# Altium PCB NxtPX4.PcbDoc (part 2 of 6)
Units mm, origin at the board's own origin, x right, y up, seen from the top; angles counter-clockwise.
Board outline 33 x 27 mm, 4 copper layers (F.Cu, In1.Cu, In2.Cu, B.Cu); 137 components, 132 nets, 629 pads, 296 vias.
Unrouted connection lines stored in the file: 3.
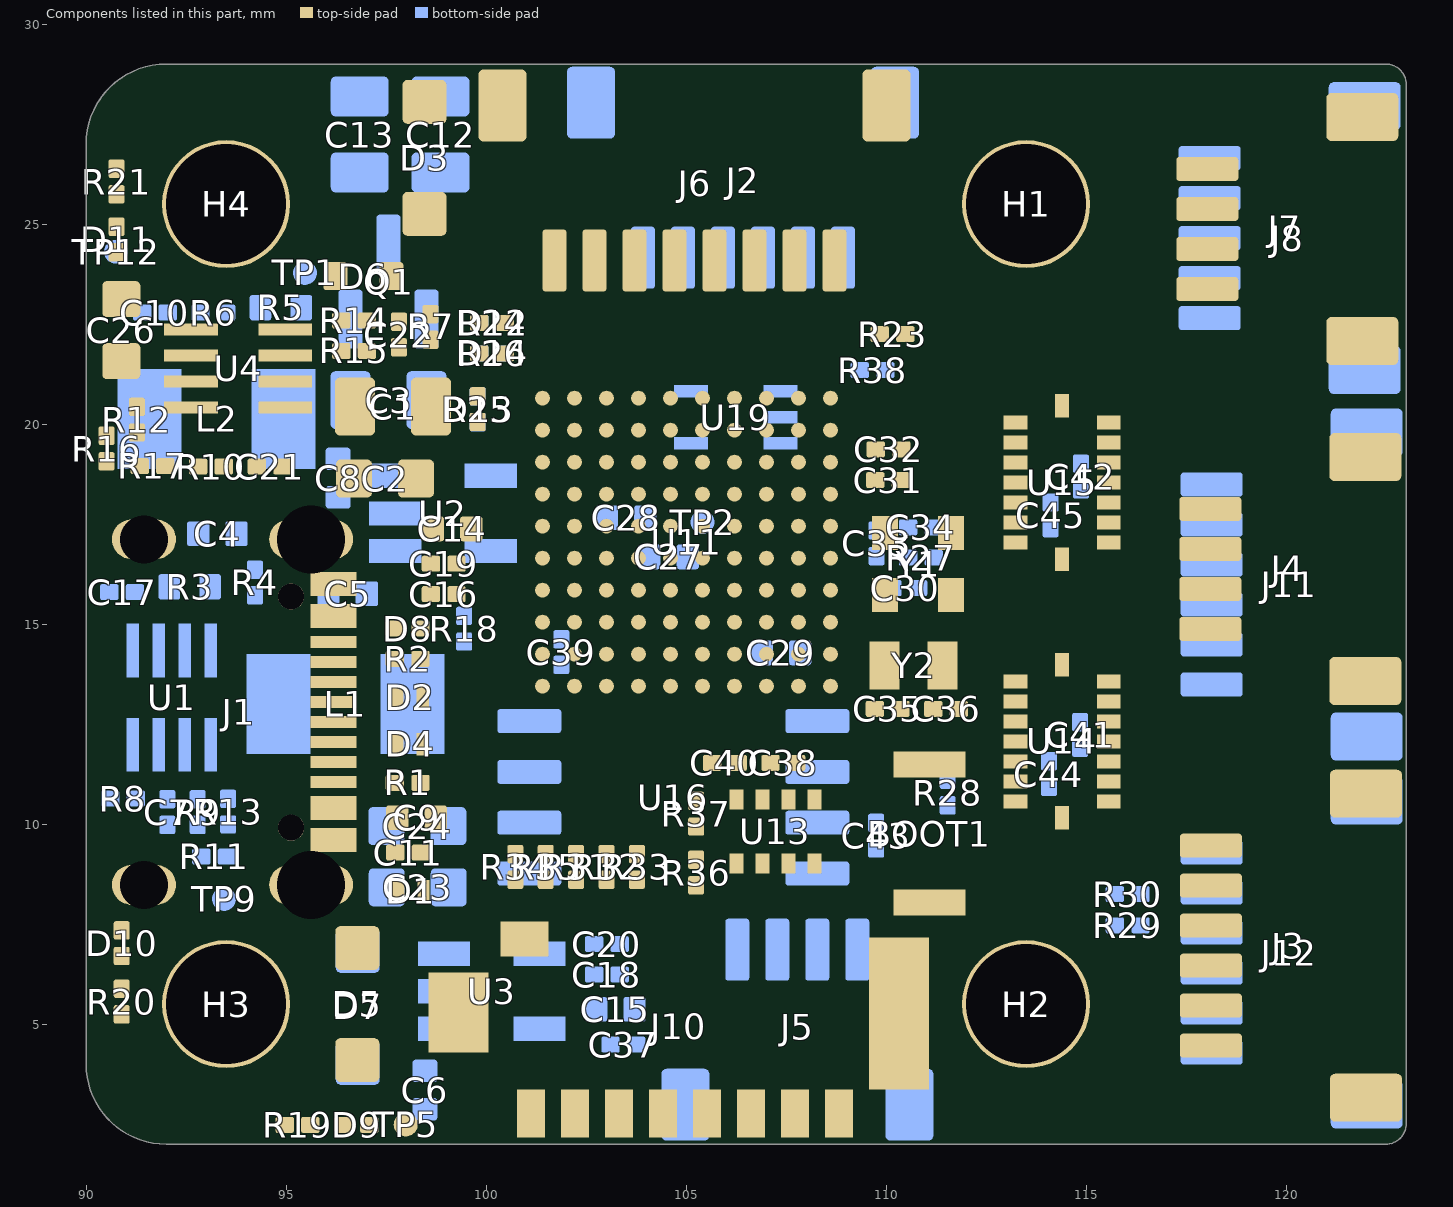
[diagram p4: the components of this part, seen from the top]

## Design rules (kind name [scope] priority, off if disabled: settings) (continued)
PolygonConnect Polygon_F.Cu-/BMI088_0_SCK_ConnectDirect [IsNamedPolygon('F.Cu-/BMI088_0_SCK')] p228: connectstyle=Direct reliefconductorwidth=0.254 reliefentries=4 polygonreliefangle="90 Angle" airgapwidth=0.254
PolygonConnect Polygon_F.Cu-Net-(J1-CC2)-1_ConnectDirect [IsNamedPolygon('F.Cu-Net-(J1-CC2)-1')] p229: connectstyle=Direct reliefconductorwidth=0.254 reliefentries=4 polygonreliefangle="90 Angle" airgapwidth=0.254
PolygonConnect Polygon_F.Cu-Net-(D6-A)-1_ConnectDirect [IsNamedPolygon('F.Cu-Net-(D6-A)-1')] p230: connectstyle=Direct reliefconductorwidth=0.254 reliefentries=4 polygonreliefangle="90 Angle" airgapwidth=0.254
PolygonConnect Polygon_F.Cu-Periph_3V3-3_ConnectDirect [IsNamedPolygon('F.Cu-Periph_3V3-3')] p231: connectstyle=Direct reliefconductorwidth=0.254 reliefentries=4 polygonreliefangle="90 Angle" airgapwidth=0.254
PolygonConnect Polygon_F.Cu-/UART5_TX-2_ConnectDirect [IsNamedPolygon('F.Cu-/UART5_TX-2')] p232: connectstyle=Direct reliefconductorwidth=0.254 reliefentries=4 polygonreliefangle="90 Angle" airgapwidth=0.254
PolygonConnect Polygon_F.Cu-System_5V-8_ConnectDirect [IsNamedPolygon('F.Cu-System_5V-8')] p233: connectstyle=Direct reliefconductorwidth=0.254 reliefentries=4 polygonreliefangle="90 Angle" airgapwidth=0.254
PolygonConnect Polygon_F.Cu-/BMI088_0_MISO-4_ConnectDirect [IsNamedPolygon('F.Cu-/BMI088_0_MISO-4')] p234: connectstyle=Direct reliefconductorwidth=0.254 reliefentries=4 polygonreliefangle="90 Angle" airgapwidth=0.254
PolygonConnect Polygon_F.Cu-Net-(J1-CC1)_ConnectDirect [IsNamedPolygon('F.Cu-Net-(J1-CC1)')] p235: connectstyle=Direct reliefconductorwidth=0.254 reliefentries=4 polygonreliefangle="90 Angle" airgapwidth=0.254
PolygonConnect Polygon_F.Cu-/TIM1_CH3-1_ConnectDirect [IsNamedPolygon('F.Cu-/TIM1_CH3-1')] p236: connectstyle=Direct reliefconductorwidth=0.254 reliefentries=4 polygonreliefangle="90 Angle" airgapwidth=0.254
PolygonConnect Polygon_F.Cu-/UART5_TX-1_ConnectDirect [IsNamedPolygon('F.Cu-/UART5_TX-1')] p237: connectstyle=Direct reliefconductorwidth=0.254 reliefentries=4 polygonreliefangle="90 Angle" airgapwidth=0.254
PolygonConnect Polygon_F.Cu-/BMI088_0_GCS-2_ConnectDirect [IsNamedPolygon('F.Cu-/BMI088_0_GCS-2')] p238: connectstyle=Direct reliefconductorwidth=0.254 reliefentries=4 polygonreliefangle="90 Angle" airgapwidth=0.254
PolygonConnect Polygon_F.Cu-/UART4_TX-1_ConnectDirect [IsNamedPolygon('F.Cu-/UART4_TX-1')] p239: connectstyle=Direct reliefconductorwidth=0.254 reliefentries=4 polygonreliefangle="90 Angle" airgapwidth=0.254
PolygonConnect Polygon_F.Cu-Net-(D9-K)-1_ConnectDirect [IsNamedPolygon('F.Cu-Net-(D9-K)-1')] p240: connectstyle=Direct reliefconductorwidth=0.254 reliefentries=4 polygonreliefangle="90 Angle" airgapwidth=0.254
PolygonConnect Polygon_F.Cu-/ADC1_INP4_BATT_V-5_ConnectDirect [IsNamedPolygon('F.Cu-/ADC1_INP4_BATT_V-5')] p241: connectstyle=Direct reliefconductorwidth=0.254 reliefentries=4 polygonreliefangle="90 Angle" airgapwidth=0.254
PolygonConnect Polygon_F.Cu-System_5V-7_ConnectDirect [IsNamedPolygon('F.Cu-System_5V-7')] p242: connectstyle=Direct reliefconductorwidth=0.254 reliefentries=4 polygonreliefangle="90 Angle" airgapwidth=0.254
PolygonConnect Polygon_F.Cu-/Baro_I2C1_SCL-2_ConnectDirect [IsNamedPolygon('F.Cu-/Baro_I2C1_SCL-2')] p243: connectstyle=Direct reliefconductorwidth=0.254 reliefentries=4 polygonreliefangle="90 Angle" airgapwidth=0.254
PolygonConnect Polygon_F.Cu-Core_3V3-16_ConnectDirect [IsNamedPolygon('F.Cu-Core_3V3-16')] p244: connectstyle=Direct reliefconductorwidth=0.254 reliefentries=4 polygonreliefangle="90 Angle" airgapwidth=0.254
PolygonConnect Polygon_F.Cu-Periph_3V3-2_ConnectDirect [IsNamedPolygon('F.Cu-Periph_3V3-2')] p245: connectstyle=Direct reliefconductorwidth=0.254 reliefentries=4 polygonreliefangle="90 Angle" airgapwidth=0.254
PolygonConnect Polygon_F.Cu-/ADC1_INP4_BATT_V-4_ConnectDirect [IsNamedPolygon('F.Cu-/ADC1_INP4_BATT_V-4')] p246: connectstyle=Direct reliefconductorwidth=0.254 reliefentries=4 polygonreliefangle="90 Angle" airgapwidth=0.254
PolygonConnect Polygon_F.Cu-/SDMMC1_CMD-3_ConnectDirect [IsNamedPolygon('F.Cu-/SDMMC1_CMD-3')] p247: connectstyle=Direct reliefconductorwidth=0.254 reliefentries=4 polygonreliefangle="90 Angle" airgapwidth=0.254
PolygonConnect Polygon_F.Cu-/USART3_TX_ConnectDirect [IsNamedPolygon('F.Cu-/USART3_TX')] p248: connectstyle=Direct reliefconductorwidth=0.254 reliefentries=4 polygonreliefangle="90 Angle" airgapwidth=0.254
PolygonConnect Polygon_F.Cu-/SDMMC1_D1-3_ConnectDirect [IsNamedPolygon('F.Cu-/SDMMC1_D1-3')] p249: connectstyle=Direct reliefconductorwidth=0.254 reliefentries=4 polygonreliefangle="90 Angle" airgapwidth=0.254
PolygonConnect Polygon_F.Cu-/FRAM_SPI2_SCK-1_ConnectDirect [IsNamedPolygon('F.Cu-/FRAM_SPI2_SCK-1')] p250: connectstyle=Direct reliefconductorwidth=0.254 reliefentries=4 polygonreliefangle="90 Angle" airgapwidth=0.254
PolygonConnect Polygon_F.Cu-/TIM1_CH2-1_ConnectDirect [IsNamedPolygon('F.Cu-/TIM1_CH2-1')] p251: connectstyle=Direct reliefconductorwidth=0.254 reliefentries=4 polygonreliefangle="90 Angle" airgapwidth=0.254
PolygonConnect Polygon_F.Cu-/BMI088_1_GDR-1_ConnectDirect [IsNamedPolygon('F.Cu-/BMI088_1_GDR-1')] p252: connectstyle=Direct reliefconductorwidth=0.254 reliefentries=4 polygonreliefangle="90 Angle" airgapwidth=0.254
PolygonConnect Polygon_F.Cu-/SDMMC1_D2-4_ConnectDirect [IsNamedPolygon('F.Cu-/SDMMC1_D2-4')] p253: connectstyle=Direct reliefconductorwidth=0.254 reliefentries=4 polygonreliefangle="90 Angle" airgapwidth=0.254
PolygonConnect Polygon_F.Cu-Net-(D6-A)_ConnectDirect [IsNamedPolygon('F.Cu-Net-(D6-A)')] p254: connectstyle=Direct reliefconductorwidth=0.254 reliefentries=4 polygonreliefangle="90 Angle" airgapwidth=0.254
PolygonConnect Polygon_F.Cu-/USART1_RX_ConnectDirect [IsNamedPolygon('F.Cu-/USART1_RX')] p255: connectstyle=Direct reliefconductorwidth=0.254 reliefentries=4 polygonreliefangle="90 Angle" airgapwidth=0.254
PolygonConnect Polygon_F.Cu-/EX_I2C4_SDA-1_ConnectDirect [IsNamedPolygon('F.Cu-/EX_I2C4_SDA-1')] p256: connectstyle=Direct reliefconductorwidth=0.254 reliefentries=4 polygonreliefangle="90 Angle" airgapwidth=0.254
PolygonConnect Polygon_F.Cu-/BMI088_0_ACS-1_ConnectDirect [IsNamedPolygon('F.Cu-/BMI088_0_ACS-1')] p257: connectstyle=Direct reliefconductorwidth=0.254 reliefentries=4 polygonreliefangle="90 Angle" airgapwidth=0.254
PolygonConnect Polygon_F.Cu-System_5V-6_ConnectDirect [IsNamedPolygon('F.Cu-System_5V-6')] p258: connectstyle=Direct reliefconductorwidth=0.254 reliefentries=4 polygonreliefangle="90 Angle" airgapwidth=0.254
PolygonConnect Polygon_F.Cu-/BMI088_1_ACS_ConnectDirect [IsNamedPolygon('F.Cu-/BMI088_1_ACS')] p259: connectstyle=Direct reliefconductorwidth=0.254 reliefentries=4 polygonreliefangle="90 Angle" airgapwidth=0.254
PolygonConnect Polygon_F.Cu-/SDMMC1_D3-5_ConnectDirect [IsNamedPolygon('F.Cu-/SDMMC1_D3-5')] p260: connectstyle=Direct reliefconductorwidth=0.254 reliefentries=4 polygonreliefangle="90 Angle" airgapwidth=0.254
PolygonConnect Polygon_F.Cu-/AUX3_PA4-1_ConnectDirect [IsNamedPolygon('F.Cu-/AUX3_PA4-1')] p261: connectstyle=Direct reliefconductorwidth=0.254 reliefentries=4 polygonreliefangle="90 Angle" airgapwidth=0.254
PolygonConnect Polygon_F.Cu-Net-(U11A-PC14-OSC32_IN)-2_ConnectDirect [IsNamedPolygon('F.Cu-Net-(U11A-PC14-OSC32_IN)-2')] p262: connectstyle=Direct reliefconductorwidth=0.254 reliefentries=4 polygonreliefangle="90 Angle" airgapwidth=0.254
PolygonConnect Polygon_F.Cu-/BMI088_1_GCS-1_ConnectDirect [IsNamedPolygon('F.Cu-/BMI088_1_GCS-1')] p263: connectstyle=Direct reliefconductorwidth=0.254 reliefentries=4 polygonreliefangle="90 Angle" airgapwidth=0.254
PolygonConnect Polygon_F.Cu-/BMI088_0_MISO-3_ConnectDirect [IsNamedPolygon('F.Cu-/BMI088_0_MISO-3')] p264: connectstyle=Direct reliefconductorwidth=0.254 reliefentries=4 polygonreliefangle="90 Angle" airgapwidth=0.254
PolygonConnect Polygon_F.Cu-Net-(U11B-BOOT0)_ConnectDirect [IsNamedPolygon('F.Cu-Net-(U11B-BOOT0)')] p265: connectstyle=Direct reliefconductorwidth=0.254 reliefentries=4 polygonreliefangle="90 Angle" airgapwidth=0.254
PolygonConnect Polygon_F.Cu-/SDMMC1_D1-2_ConnectDirect [IsNamedPolygon('F.Cu-/SDMMC1_D1-2')] p266: connectstyle=Direct reliefconductorwidth=0.254 reliefentries=4 polygonreliefangle="90 Angle" airgapwidth=0.254
PolygonConnect Polygon_F.Cu-/SBUS-5_ConnectDirect [IsNamedPolygon('F.Cu-/SBUS-5')] p267: connectstyle=Direct reliefconductorwidth=0.254 reliefentries=4 polygonreliefangle="90 Angle" airgapwidth=0.254
PolygonConnect Polygon_F.Cu-/EX_SPI3_MISO-1_ConnectDirect [IsNamedPolygon('F.Cu-/EX_SPI3_MISO-1')] p268: connectstyle=Direct reliefconductorwidth=0.254 reliefentries=4 polygonreliefangle="90 Angle" airgapwidth=0.254
PolygonConnect Polygon_F.Cu-/BMI088_0_MOSI-2_ConnectDirect [IsNamedPolygon('F.Cu-/BMI088_0_MOSI-2')] p269: connectstyle=Direct reliefconductorwidth=0.254 reliefentries=4 polygonreliefangle="90 Angle" airgapwidth=0.254
PolygonConnect Polygon_F.Cu-Net-(U11A-PC15-OSC32_OUT)-3_ConnectDirect [IsNamedPolygon('F.Cu-Net-(U11A-PC15-OSC32_OUT)-3')] p270: connectstyle=Direct reliefconductorwidth=0.254 reliefentries=4 polygonreliefangle="90 Angle" airgapwidth=0.254
PolygonConnect Polygon_F.Cu-/Baro_I2C1_SDA-2_ConnectDirect [IsNamedPolygon('F.Cu-/Baro_I2C1_SDA-2')] p271: connectstyle=Direct reliefconductorwidth=0.254 reliefentries=4 polygonreliefangle="90 Angle" airgapwidth=0.254
PolygonConnect Polygon_F.Cu-Net-(U11A-PC14-OSC32_IN)-1_ConnectDirect [IsNamedPolygon('F.Cu-Net-(U11A-PC14-OSC32_IN)-1')] p272: connectstyle=Direct reliefconductorwidth=0.254 reliefentries=4 polygonreliefangle="90 Angle" airgapwidth=0.254
PolygonConnect Polygon_F.Cu-/EX_I2C4_SDA_ConnectDirect [IsNamedPolygon('F.Cu-/EX_I2C4_SDA')] p273: connectstyle=Direct reliefconductorwidth=0.254 reliefentries=4 polygonreliefangle="90 Angle" airgapwidth=0.254
PolygonConnect Polygon_F.Cu-/USART3_RX-1_ConnectDirect [IsNamedPolygon('F.Cu-/USART3_RX-1')] p274: connectstyle=Direct reliefconductorwidth=0.254 reliefentries=4 polygonreliefangle="90 Angle" airgapwidth=0.254
PolygonConnect Polygon_F.Cu-/SDMMC1_D3-4_ConnectDirect [IsNamedPolygon('F.Cu-/SDMMC1_D3-4')] p275: connectstyle=Direct reliefconductorwidth=0.254 reliefentries=4 polygonreliefangle="90 Angle" airgapwidth=0.254
PolygonConnect Polygon_F.Cu-System_5V-5_ConnectDirect [IsNamedPolygon('F.Cu-System_5V-5')] p276: connectstyle=Direct reliefconductorwidth=0.254 reliefentries=4 polygonreliefangle="90 Angle" airgapwidth=0.254
PolygonConnect Polygon_F.Cu-/LED_GREEN-1_ConnectDirect [IsNamedPolygon('F.Cu-/LED_GREEN-1')] p277: connectstyle=Direct reliefconductorwidth=0.254 reliefentries=4 polygonreliefangle="90 Angle" airgapwidth=0.254
PolygonConnect Polygon_F.Cu-/SDMMC1_CK-2_ConnectDirect [IsNamedPolygon('F.Cu-/SDMMC1_CK-2')] p278: connectstyle=Direct reliefconductorwidth=0.254 reliefentries=4 polygonreliefangle="90 Angle" airgapwidth=0.254
PolygonConnect Polygon_F.Cu-Core_3V3-15_ConnectDirect [IsNamedPolygon('F.Cu-Core_3V3-15')] p279: connectstyle=Direct reliefconductorwidth=0.254 reliefentries=4 polygonreliefangle="90 Angle" airgapwidth=0.254
PolygonConnect Polygon_F.Cu-/NRST-1_ConnectDirect [IsNamedPolygon('F.Cu-/NRST-1')] p280: connectstyle=Direct reliefconductorwidth=0.254 reliefentries=4 polygonreliefangle="90 Angle" airgapwidth=0.254
PolygonConnect Polygon_F.Cu-/USART1_TX-1_ConnectDirect [IsNamedPolygon('F.Cu-/USART1_TX-1')] p281: connectstyle=Direct reliefconductorwidth=0.254 reliefentries=4 polygonreliefangle="90 Angle" airgapwidth=0.254
PolygonConnect Polygon_F.Cu-/BMI088_0_ADR-2_ConnectDirect [IsNamedPolygon('F.Cu-/BMI088_0_ADR-2')] p282: connectstyle=Direct reliefconductorwidth=0.254 reliefentries=4 polygonreliefangle="90 Angle" airgapwidth=0.254
PolygonConnect Polygon_F.Cu-Net-(U11B-PH0-OSC_IN)-1_ConnectDirect [IsNamedPolygon('F.Cu-Net-(U11B-PH0-OSC_IN)-1')] p283: connectstyle=Direct reliefconductorwidth=0.254 reliefentries=4 polygonreliefangle="90 Angle" airgapwidth=0.254
PolygonConnect Polygon_F.Cu-/Baro_I2C1_SCL-1_ConnectDirect [IsNamedPolygon('F.Cu-/Baro_I2C1_SCL-1')] p284: connectstyle=Direct reliefconductorwidth=0.254 reliefentries=4 polygonreliefangle="90 Angle" airgapwidth=0.254
PolygonConnect Polygon_F.Cu-/EX_SPI3_SCK-1_ConnectDirect [IsNamedPolygon('F.Cu-/EX_SPI3_SCK-1')] p285: connectstyle=Direct reliefconductorwidth=0.254 reliefentries=4 polygonreliefangle="90 Angle" airgapwidth=0.254
PolygonConnect Polygon_F.Cu-/BMI088_1_SCK_ConnectDirect [IsNamedPolygon('F.Cu-/BMI088_1_SCK')] p286: connectstyle=Direct reliefconductorwidth=0.254 reliefentries=4 polygonreliefangle="90 Angle" airgapwidth=0.254
PolygonConnect Polygon_F.Cu-/SDMMC1_D0-4_ConnectDirect [IsNamedPolygon('F.Cu-/SDMMC1_D0-4')] p287: connectstyle=Direct reliefconductorwidth=0.254 reliefentries=4 polygonreliefangle="90 Angle" airgapwidth=0.254
PolygonConnect Polygon_F.Cu-Net-(U4-BST)_ConnectDirect [IsNamedPolygon('F.Cu-Net-(U4-BST)')] p288: connectstyle=Direct reliefconductorwidth=0.254 reliefentries=4 polygonreliefangle="90 Angle" airgapwidth=0.254
PolygonConnect Polygon_F.Cu-/BMI088_0_MISO-2_ConnectDirect [IsNamedPolygon('F.Cu-/BMI088_0_MISO-2')] p289: connectstyle=Direct reliefconductorwidth=0.254 reliefentries=4 polygonreliefangle="90 Angle" airgapwidth=0.254
PolygonConnect Polygon_F.Cu-/EX_I2C4_SCL-1_ConnectDirect [IsNamedPolygon('F.Cu-/EX_I2C4_SCL-1')] p290: connectstyle=Direct reliefconductorwidth=0.254 reliefentries=4 polygonreliefangle="90 Angle" airgapwidth=0.254
PolygonConnect Polygon_F.Cu-/SWDIO-3_ConnectDirect [IsNamedPolygon('F.Cu-/SWDIO-3')] p291: connectstyle=Direct reliefconductorwidth=0.254 reliefentries=4 polygonreliefangle="90 Angle" airgapwidth=0.254
PolygonConnect Polygon_F.Cu-/ADC2_INP8_BATT_I_ConnectDirect [IsNamedPolygon('F.Cu-/ADC2_INP8_BATT_I')] p292: connectstyle=Direct reliefconductorwidth=0.254 reliefentries=4 polygonreliefangle="90 Angle" airgapwidth=0.254
PolygonConnect Polygon_F.Cu-Net-(R12-Pad2)-2_ConnectDirect [IsNamedPolygon('F.Cu-Net-(R12-Pad2)-2')] p293: connectstyle=Direct reliefconductorwidth=0.254 reliefentries=4 polygonreliefangle="90 Angle" airgapwidth=0.254
PolygonConnect Polygon_F.Cu-/TIM1_CH4-1_ConnectDirect [IsNamedPolygon('F.Cu-/TIM1_CH4-1')] p294: connectstyle=Direct reliefconductorwidth=0.254 reliefentries=4 polygonreliefangle="90 Angle" airgapwidth=0.254
PolygonConnect Polygon_F.Cu-/USB_OTG_FS_DP-5_ConnectDirect [IsNamedPolygon('F.Cu-/USB_OTG_FS_DP-5')] p295: connectstyle=Direct reliefconductorwidth=0.254 reliefentries=4 polygonreliefangle="90 Angle" airgapwidth=0.254
PolygonConnect Polygon_F.Cu-/BMI088_0_MOSI-1_ConnectDirect [IsNamedPolygon('F.Cu-/BMI088_0_MOSI-1')] p296: connectstyle=Direct reliefconductorwidth=0.254 reliefentries=4 polygonreliefangle="90 Angle" airgapwidth=0.254
PolygonConnect Polygon_F.Cu-/SDMMC1_D0-3_ConnectDirect [IsNamedPolygon('F.Cu-/SDMMC1_D0-3')] p297: connectstyle=Direct reliefconductorwidth=0.254 reliefentries=4 polygonreliefangle="90 Angle" airgapwidth=0.254
PolygonConnect Polygon_F.Cu-/USART1_TX_ConnectDirect [IsNamedPolygon('F.Cu-/USART1_TX')] p298: connectstyle=Direct reliefconductorwidth=0.254 reliefentries=4 polygonreliefangle="90 Angle" airgapwidth=0.254
PolygonConnect Polygon_F.Cu-/SBUS-4_ConnectDirect [IsNamedPolygon('F.Cu-/SBUS-4')] p299: connectstyle=Direct reliefconductorwidth=0.254 reliefentries=4 polygonreliefangle="90 Angle" airgapwidth=0.254
PolygonConnect Polygon_F.Cu-Net-(U11A-PC15-OSC32_OUT)-2_ConnectDirect [IsNamedPolygon('F.Cu-Net-(U11A-PC15-OSC32_OUT)-2')] p300: connectstyle=Direct reliefconductorwidth=0.254 reliefentries=4 polygonreliefangle="90 Angle" airgapwidth=0.254
PolygonConnect Polygon_F.Cu-/BMI088_1_ADR-1_ConnectDirect [IsNamedPolygon('F.Cu-/BMI088_1_ADR-1')] p301: connectstyle=Direct reliefconductorwidth=0.254 reliefentries=4 polygonreliefangle="90 Angle" airgapwidth=0.254
PolygonConnect Polygon_F.Cu-/FRAM_SPI2_SCK_ConnectDirect [IsNamedPolygon('F.Cu-/FRAM_SPI2_SCK')] p302: connectstyle=Direct reliefconductorwidth=0.254 reliefentries=4 polygonreliefangle="90 Angle" airgapwidth=0.254
PolygonConnect Polygon_F.Cu-/SDMMC1_D2-3_ConnectDirect [IsNamedPolygon('F.Cu-/SDMMC1_D2-3')] p303: connectstyle=Direct reliefconductorwidth=0.254 reliefentries=4 polygonreliefangle="90 Angle" airgapwidth=0.254
PolygonConnect Polygon_F.Cu-Core_3V3-14_ConnectDirect [IsNamedPolygon('F.Cu-Core_3V3-14')] p304: connectstyle=Direct reliefconductorwidth=0.254 reliefentries=4 polygonreliefangle="90 Angle" airgapwidth=0.254
PolygonConnect Polygon_F.Cu-/SDMMC1_CK-1_ConnectDirect [IsNamedPolygon('F.Cu-/SDMMC1_CK-1')] p305: connectstyle=Direct reliefconductorwidth=0.254 reliefentries=4 polygonreliefangle="90 Angle" airgapwidth=0.254
PolygonConnect Polygon_F.Cu-/BMI088_0_GDR-1_ConnectDirect [IsNamedPolygon('F.Cu-/BMI088_0_GDR-1')] p306: connectstyle=Direct reliefconductorwidth=0.254 reliefentries=4 polygonreliefangle="90 Angle" airgapwidth=0.254
PolygonConnect Polygon_F.Cu-Core_3V3-13_ConnectDirect [IsNamedPolygon('F.Cu-Core_3V3-13')] p307: connectstyle=Direct reliefconductorwidth=0.254 reliefentries=4 polygonreliefangle="90 Angle" airgapwidth=0.254
PolygonConnect Polygon_F.Cu-/USB_OTG_FS_DP-4_ConnectDirect [IsNamedPolygon('F.Cu-/USB_OTG_FS_DP-4')] p308: connectstyle=Direct reliefconductorwidth=0.254 reliefentries=4 polygonreliefangle="90 Angle" airgapwidth=0.254
PolygonConnect Polygon_F.Cu-/VBUS-2_ConnectDirect [IsNamedPolygon('F.Cu-/VBUS-2')] p309: connectstyle=Direct reliefconductorwidth=0.254 reliefentries=4 polygonreliefangle="90 Angle" airgapwidth=0.254
PolygonConnect Polygon_F.Cu-System_5V-4_ConnectDirect [IsNamedPolygon('F.Cu-System_5V-4')] p310: connectstyle=Direct reliefconductorwidth=0.254 reliefentries=4 polygonreliefangle="90 Angle" airgapwidth=0.254
PolygonConnect Polygon_F.Cu-Net-(U4-FB)_ConnectDirect [IsNamedPolygon('F.Cu-Net-(U4-FB)')] p311: connectstyle=Direct reliefconductorwidth=0.254 reliefentries=4 polygonreliefangle="90 Angle" airgapwidth=0.254
PolygonConnect Polygon_F.Cu-/EX_SPI3_SCK_ConnectDirect [IsNamedPolygon('F.Cu-/EX_SPI3_SCK')] p312: connectstyle=Direct reliefconductorwidth=0.254 reliefentries=4 polygonreliefangle="90 Angle" airgapwidth=0.254
PolygonConnect Polygon_F.Cu-/TIM1_CH1_ConnectDirect [IsNamedPolygon('F.Cu-/TIM1_CH1')] p313: connectstyle=Direct reliefconductorwidth=0.254 reliefentries=4 polygonreliefangle="90 Angle" airgapwidth=0.254
PolygonConnect Polygon_F.Cu-/BMI088_1_MISO-2_ConnectDirect [IsNamedPolygon('F.Cu-/BMI088_1_MISO-2')] p314: connectstyle=Direct reliefconductorwidth=0.254 reliefentries=4 polygonreliefangle="90 Angle" airgapwidth=0.254
PolygonConnect Polygon_F.Cu-/SDMMC1_CK_ConnectDirect [IsNamedPolygon('F.Cu-/SDMMC1_CK')] p315: connectstyle=Direct reliefconductorwidth=0.254 reliefentries=4 polygonreliefangle="90 Angle" airgapwidth=0.254
PolygonConnect Polygon_F.Cu-/BMI088_1_MOSI-1_ConnectDirect [IsNamedPolygon('F.Cu-/BMI088_1_MOSI-1')] p316: connectstyle=Direct reliefconductorwidth=0.254 reliefentries=4 polygonreliefangle="90 Angle" airgapwidth=0.254
PolygonConnect Polygon_F.Cu-/SDMMC1_CMD-2_ConnectDirect [IsNamedPolygon('F.Cu-/SDMMC1_CMD-2')] p317: connectstyle=Direct reliefconductorwidth=0.254 reliefentries=4 polygonreliefangle="90 Angle" airgapwidth=0.254
PolygonConnect Polygon_F.Cu-/NRST_ConnectDirect [IsNamedPolygon('F.Cu-/NRST')] p318: connectstyle=Direct reliefconductorwidth=0.254 reliefentries=4 polygonreliefangle="90 Angle" airgapwidth=0.254
PolygonConnect Polygon_F.Cu-/SDMMC1_D0-2_ConnectDirect [IsNamedPolygon('F.Cu-/SDMMC1_D0-2')] p319: connectstyle=Direct reliefconductorwidth=0.254 reliefentries=4 polygonreliefangle="90 Angle" airgapwidth=0.254
PolygonConnect Polygon_F.Cu-/SWDIO-2_ConnectDirect [IsNamedPolygon('F.Cu-/SWDIO-2')] p320: connectstyle=Direct reliefconductorwidth=0.254 reliefentries=4 polygonreliefangle="90 Angle" airgapwidth=0.254
PolygonConnect Polygon_F.Cu-/BMI088_0_MISO-1_ConnectDirect [IsNamedPolygon('F.Cu-/BMI088_0_MISO-1')] p321: connectstyle=Direct reliefconductorwidth=0.254 reliefentries=4 polygonreliefangle="90 Angle" airgapwidth=0.254
PolygonConnect Polygon_F.Cu-System_5V-3_ConnectDirect [IsNamedPolygon('F.Cu-System_5V-3')] p322: connectstyle=Direct reliefconductorwidth=0.254 reliefentries=4 polygonreliefangle="90 Angle" airgapwidth=0.254
PolygonConnect Polygon_F.Cu-/SCLK-1_ConnectDirect [IsNamedPolygon('F.Cu-/SCLK-1')] p323: connectstyle=Direct reliefconductorwidth=0.254 reliefentries=4 polygonreliefangle="90 Angle" airgapwidth=0.254
PolygonConnect Polygon_F.Cu-Net-(U11A-PC15-OSC32_OUT)-1_ConnectDirect [IsNamedPolygon('F.Cu-Net-(U11A-PC15-OSC32_OUT)-1')] p324: connectstyle=Direct reliefconductorwidth=0.254 reliefentries=4 polygonreliefangle="90 Angle" airgapwidth=0.254
PolygonConnect Polygon_F.Cu-/ADC1_INP4_BATT_V-3_ConnectDirect [IsNamedPolygon('F.Cu-/ADC1_INP4_BATT_V-3')] p325: connectstyle=Direct reliefconductorwidth=0.254 reliefentries=4 polygonreliefangle="90 Angle" airgapwidth=0.254
PolygonConnect Polygon_F.Cu-/SWDIO-1_ConnectDirect [IsNamedPolygon('F.Cu-/SWDIO-1')] p326: connectstyle=Direct reliefconductorwidth=0.254 reliefentries=4 polygonreliefangle="90 Angle" airgapwidth=0.254
PolygonConnect Polygon_F.Cu-Core_3V3-12_ConnectDirect [IsNamedPolygon('F.Cu-Core_3V3-12')] p327: connectstyle=Direct reliefconductorwidth=0.254 reliefentries=4 polygonreliefangle="90 Angle" airgapwidth=0.254
PolygonConnect Polygon_F.Cu-/VBUS-1_ConnectDirect [IsNamedPolygon('F.Cu-/VBUS-1')] p328: connectstyle=Direct reliefconductorwidth=0.254 reliefentries=4 polygonreliefangle="90 Angle" airgapwidth=0.254
PolygonConnect Polygon_F.Cu-/USART3_RX_ConnectDirect [IsNamedPolygon('F.Cu-/USART3_RX')] p329: connectstyle=Direct reliefconductorwidth=0.254 reliefentries=4 polygonreliefangle="90 Angle" airgapwidth=0.254
PolygonConnect Polygon_F.Cu-/SDMMC1_CMD-1_ConnectDirect [IsNamedPolygon('F.Cu-/SDMMC1_CMD-1')] p330: connectstyle=Direct reliefconductorwidth=0.254 reliefentries=4 polygonreliefangle="90 Angle" airgapwidth=0.254
PolygonConnect Polygon_F.Cu-Core_3V3-11_ConnectDirect [IsNamedPolygon('F.Cu-Core_3V3-11')] p331: connectstyle=Direct reliefconductorwidth=0.254 reliefentries=4 polygonreliefangle="90 Angle" airgapwidth=0.254
PolygonConnect Polygon_F.Cu-Core_3V3-10_ConnectDirect [IsNamedPolygon('F.Cu-Core_3V3-10')] p332: connectstyle=Direct reliefconductorwidth=0.254 reliefentries=4 polygonreliefangle="90 Angle" airgapwidth=0.254
PolygonConnect Polygon_F.Cu-Net-(U11B-PH0-OSC_IN)_ConnectDirect [IsNamedPolygon('F.Cu-Net-(U11B-PH0-OSC_IN)')] p333: connectstyle=Direct reliefconductorwidth=0.254 reliefentries=4 polygonreliefangle="90 Angle" airgapwidth=0.254
PolygonConnect Polygon_F.Cu-/VBUS_ConnectDirect [IsNamedPolygon('F.Cu-/VBUS')] p334: connectstyle=Direct reliefconductorwidth=0.254 reliefentries=4 polygonreliefangle="90 Angle" airgapwidth=0.254
PolygonConnect Polygon_F.Cu-Net-(U1-EN{slash}SYNC)-1_ConnectDirect [IsNamedPolygon('F.Cu-Net-(U1-EN{slash}SYNC)-1')] p335: connectstyle=Direct reliefconductorwidth=0.254 reliefentries=4 polygonreliefangle="90 Angle" airgapwidth=0.254
PolygonConnect Polygon_F.Cu-/BMI088_1_MISO-1_ConnectDirect [IsNamedPolygon('F.Cu-/BMI088_1_MISO-1')] p336: connectstyle=Direct reliefconductorwidth=0.254 reliefentries=4 polygonreliefangle="90 Angle" airgapwidth=0.254
PolygonConnect Polygon_F.Cu-/UART5_TX_ConnectDirect [IsNamedPolygon('F.Cu-/UART5_TX')] p337: connectstyle=Direct reliefconductorwidth=0.254 reliefentries=4 polygonreliefangle="90 Angle" airgapwidth=0.254
PolygonConnect Polygon_F.Cu-Core_3V3-9_ConnectDirect [IsNamedPolygon('F.Cu-Core_3V3-9')] p338: connectstyle=Direct reliefconductorwidth=0.254 reliefentries=4 polygonreliefangle="90 Angle" airgapwidth=0.254
PolygonConnect Polygon_F.Cu-/USB_OTG_FS_DP-3_ConnectDirect [IsNamedPolygon('F.Cu-/USB_OTG_FS_DP-3')] p339: connectstyle=Direct reliefconductorwidth=0.254 reliefentries=4 polygonreliefangle="90 Angle" airgapwidth=0.254
PolygonConnect Polygon_F.Cu-/TIM1_CH4_ConnectDirect [IsNamedPolygon('F.Cu-/TIM1_CH4')] p340: connectstyle=Direct reliefconductorwidth=0.254 reliefentries=4 polygonreliefangle="90 Angle" airgapwidth=0.254
PolygonConnect Polygon_F.Cu-System_5V-2_ConnectDirect [IsNamedPolygon('F.Cu-System_5V-2')] p341: connectstyle=Direct reliefconductorwidth=0.254 reliefentries=4 polygonreliefangle="90 Angle" airgapwidth=0.254
PolygonConnect Polygon_F.Cu-/USB_OTG_FS_DM-1_ConnectDirect [IsNamedPolygon('F.Cu-/USB_OTG_FS_DM-1')] p342: connectstyle=Direct reliefconductorwidth=0.254 reliefentries=4 polygonreliefangle="90 Angle" airgapwidth=0.254
PolygonConnect Polygon_F.Cu-/ADC1_INP4_BATT_V-2_ConnectDirect [IsNamedPolygon('F.Cu-/ADC1_INP4_BATT_V-2')] p343: connectstyle=Direct reliefconductorwidth=0.254 reliefentries=4 polygonreliefangle="90 Angle" airgapwidth=0.254
PolygonConnect Polygon_F.Cu-/BMI088_1_GCS_ConnectDirect [IsNamedPolygon('F.Cu-/BMI088_1_GCS')] p344: connectstyle=Direct reliefconductorwidth=0.254 reliefentries=4 polygonreliefangle="90 Angle" airgapwidth=0.254
PolygonConnect Polygon_F.Cu-/Baro_I2C1_SCL_ConnectDirect [IsNamedPolygon('F.Cu-/Baro_I2C1_SCL')] p345: connectstyle=Direct reliefconductorwidth=0.254 reliefentries=4 polygonreliefangle="90 Angle" airgapwidth=0.254
PolygonConnect Polygon_F.Cu-/LED_BLUE-1_ConnectDirect [IsNamedPolygon('F.Cu-/LED_BLUE-1')] p346: connectstyle=Direct reliefconductorwidth=0.254 reliefentries=4 polygonreliefangle="90 Angle" airgapwidth=0.254
PolygonConnect Polygon_F.Cu-System_5V-1_ConnectDirect [IsNamedPolygon('F.Cu-System_5V-1')] p347: connectstyle=Direct reliefconductorwidth=0.254 reliefentries=4 polygonreliefangle="90 Angle" airgapwidth=0.254
PolygonConnect Polygon_F.Cu-/SDMMC1_D1-1_ConnectDirect [IsNamedPolygon('F.Cu-/SDMMC1_D1-1')] p348: connectstyle=Direct reliefconductorwidth=0.254 reliefentries=4 polygonreliefangle="90 Angle" airgapwidth=0.254
PolygonConnect Polygon_F.Cu-/BMI088_0_GCS-1_ConnectDirect [IsNamedPolygon('F.Cu-/BMI088_0_GCS-1')] p349: connectstyle=Direct reliefconductorwidth=0.254 reliefentries=4 polygonreliefangle="90 Angle" airgapwidth=0.254
PolygonConnect Polygon_F.Cu-Net-(R12-Pad2)-1_ConnectDirect [IsNamedPolygon('F.Cu-Net-(R12-Pad2)-1')] p350: connectstyle=Direct reliefconductorwidth=0.254 reliefentries=4 polygonreliefangle="90 Angle" airgapwidth=0.254
PolygonConnect Polygon_F.Cu-/LED_BLUE_ConnectDirect [IsNamedPolygon('F.Cu-/LED_BLUE')] p351: connectstyle=Direct reliefconductorwidth=0.254 reliefentries=4 polygonreliefangle="90 Angle" airgapwidth=0.254
PolygonConnect Polygon_F.Cu-/SBUS-3_ConnectDirect [IsNamedPolygon('F.Cu-/SBUS-3')] p352: connectstyle=Direct reliefconductorwidth=0.254 reliefentries=4 polygonreliefangle="90 Angle" airgapwidth=0.254
PolygonConnect Polygon_F.Cu-/SCLK_ConnectDirect [IsNamedPolygon('F.Cu-/SCLK')] p353: connectstyle=Direct reliefconductorwidth=0.254 reliefentries=4 polygonreliefangle="90 Angle" airgapwidth=0.254
PolygonConnect Polygon_F.Cu-/TIM3_CH4_ConnectDirect [IsNamedPolygon('F.Cu-/TIM3_CH4')] p354: connectstyle=Direct reliefconductorwidth=0.254 reliefentries=4 polygonreliefangle="90 Angle" airgapwidth=0.254
PolygonConnect Polygon_F.Cu-/SBUS-2_ConnectDirect [IsNamedPolygon('F.Cu-/SBUS-2')] p355: connectstyle=Direct reliefconductorwidth=0.254 reliefentries=4 polygonreliefangle="90 Angle" airgapwidth=0.254
PolygonConnect Polygon_F.Cu-/SDMMC1_CMD_ConnectDirect [IsNamedPolygon('F.Cu-/SDMMC1_CMD')] p356: connectstyle=Direct reliefconductorwidth=0.254 reliefentries=4 polygonreliefangle="90 Angle" airgapwidth=0.254
PolygonConnect Polygon_F.Cu-/BMI088_1_MISO_ConnectDirect [IsNamedPolygon('F.Cu-/BMI088_1_MISO')] p357: connectstyle=Direct reliefconductorwidth=0.254 reliefentries=4 polygonreliefangle="90 Angle" airgapwidth=0.254
PolygonConnect Polygon_F.Cu-Net-(D9-K)_ConnectDirect [IsNamedPolygon('F.Cu-Net-(D9-K)')] p358: connectstyle=Direct reliefconductorwidth=0.254 reliefentries=4 polygonreliefangle="90 Angle" airgapwidth=0.254
PolygonConnect Polygon_F.Cu-/USB_OTG_FS_DP-2_ConnectDirect [IsNamedPolygon('F.Cu-/USB_OTG_FS_DP-2')] p359: connectstyle=Direct reliefconductorwidth=0.254 reliefentries=4 polygonreliefangle="90 Angle" airgapwidth=0.254
PolygonConnect Polygon_F.Cu-Core_3V3-8_ConnectDirect [IsNamedPolygon('F.Cu-Core_3V3-8')] p360: connectstyle=Direct reliefconductorwidth=0.254 reliefentries=4 polygonreliefangle="90 Angle" airgapwidth=0.254
PolygonConnect Polygon_F.Cu-/UART4_TX_ConnectDirect [IsNamedPolygon('F.Cu-/UART4_TX')] p361: connectstyle=Direct reliefconductorwidth=0.254 reliefentries=4 polygonreliefangle="90 Angle" airgapwidth=0.254
PolygonConnect Polygon_F.Cu-/Baro_I2C1_SDA-1_ConnectDirect [IsNamedPolygon('F.Cu-/Baro_I2C1_SDA-1')] p362: connectstyle=Direct reliefconductorwidth=0.254 reliefentries=4 polygonreliefangle="90 Angle" airgapwidth=0.254
PolygonConnect Polygon_F.Cu-/USART2_TX_ConnectDirect [IsNamedPolygon('F.Cu-/USART2_TX')] p363: connectstyle=Direct reliefconductorwidth=0.254 reliefentries=4 polygonreliefangle="90 Angle" airgapwidth=0.254
PolygonConnect Polygon_F.Cu-/SDMMC1_D2-2_ConnectDirect [IsNamedPolygon('F.Cu-/SDMMC1_D2-2')] p364: connectstyle=Direct reliefconductorwidth=0.254 reliefentries=4 polygonreliefangle="90 Angle" airgapwidth=0.254
PolygonConnect Polygon_F.Cu-/BMI088_0_ADR-1_ConnectDirect [IsNamedPolygon('F.Cu-/BMI088_0_ADR-1')] p365: connectstyle=Direct reliefconductorwidth=0.254 reliefentries=4 polygonreliefangle="90 Angle" airgapwidth=0.254
PolygonConnect Polygon_F.Cu-/TIM3_CH3_ConnectDirect [IsNamedPolygon('F.Cu-/TIM3_CH3')] p366: connectstyle=Direct reliefconductorwidth=0.254 reliefentries=4 polygonreliefangle="90 Angle" airgapwidth=0.254
PolygonConnect Polygon_F.Cu-Net-(J1-CC2)_ConnectDirect [IsNamedPolygon('F.Cu-Net-(J1-CC2)')] p367: connectstyle=Direct reliefconductorwidth=0.254 reliefentries=4 polygonreliefangle="90 Angle" airgapwidth=0.254
PolygonConnect Polygon_F.Cu-/BMI088_1_MOSI_ConnectDirect [IsNamedPolygon('F.Cu-/BMI088_1_MOSI')] p368: connectstyle=Direct reliefconductorwidth=0.254 reliefentries=4 polygonreliefangle="90 Angle" airgapwidth=0.254
PolygonConnect Polygon_F.Cu-/USART2_RX_ConnectDirect [IsNamedPolygon('F.Cu-/USART2_RX')] p369: connectstyle=Direct reliefconductorwidth=0.254 reliefentries=4 polygonreliefangle="90 Angle" airgapwidth=0.254
PolygonConnect Polygon_F.Cu-Core_3V3-7_ConnectDirect [IsNamedPolygon('F.Cu-Core_3V3-7')] p370: connectstyle=Direct reliefconductorwidth=0.254 reliefentries=4 polygonreliefangle="90 Angle" airgapwidth=0.254
PolygonConnect Polygon_F.Cu-Core_3V3-6_ConnectDirect [IsNamedPolygon('F.Cu-Core_3V3-6')] p371: connectstyle=Direct reliefconductorwidth=0.254 reliefentries=4 polygonreliefangle="90 Angle" airgapwidth=0.254
PolygonConnect Polygon_F.Cu-/BMI088_1_ADR_ConnectDirect [IsNamedPolygon('F.Cu-/BMI088_1_ADR')] p372: connectstyle=Direct reliefconductorwidth=0.254 reliefentries=4 polygonreliefangle="90 Angle" airgapwidth=0.254
PolygonConnect Polygon_F.Cu-/BMI088_0_MOSI_ConnectDirect [IsNamedPolygon('F.Cu-/BMI088_0_MOSI')] p373: connectstyle=Direct reliefconductorwidth=0.254 reliefentries=4 polygonreliefangle="90 Angle" airgapwidth=0.254
PolygonConnect Polygon_F.Cu-/ADC1_INP4_BATT_V-1_ConnectDirect [IsNamedPolygon('F.Cu-/ADC1_INP4_BATT_V-1')] p374: connectstyle=Direct reliefconductorwidth=0.254 reliefentries=4 polygonreliefangle="90 Angle" airgapwidth=0.254
PolygonConnect Polygon_F.Cu-/SDMMC1_D0-1_ConnectDirect [IsNamedPolygon('F.Cu-/SDMMC1_D0-1')] p375: connectstyle=Direct reliefconductorwidth=0.254 reliefentries=4 polygonreliefangle="90 Angle" airgapwidth=0.254
PolygonConnect Polygon_F.Cu-Net-(U4-SW)_ConnectDirect [IsNamedPolygon('F.Cu-Net-(U4-SW)')] p376: connectstyle=Direct reliefconductorwidth=0.254 reliefentries=4 polygonreliefangle="90 Angle" airgapwidth=0.254
PolygonConnect Polygon_F.Cu-Core_3V3-5_ConnectDirect [IsNamedPolygon('F.Cu-Core_3V3-5')] p377: connectstyle=Direct reliefconductorwidth=0.254 reliefentries=4 polygonreliefangle="90 Angle" airgapwidth=0.254
PolygonConnect Polygon_F.Cu-/BMI088_0_ADR_ConnectDirect [IsNamedPolygon('F.Cu-/BMI088_0_ADR')] p378: connectstyle=Direct reliefconductorwidth=0.254 reliefentries=4 polygonreliefangle="90 Angle" airgapwidth=0.254
PolygonConnect Polygon_F.Cu-/SDMMC1_D0_ConnectDirect [IsNamedPolygon('F.Cu-/SDMMC1_D0')] p379: connectstyle=Direct reliefconductorwidth=0.254 reliefentries=4 polygonreliefangle="90 Angle" airgapwidth=0.254
PolygonConnect Polygon_F.Cu-/BMI088_0_MISO_ConnectDirect [IsNamedPolygon('F.Cu-/BMI088_0_MISO')] p380: connectstyle=Direct reliefconductorwidth=0.254 reliefentries=4 polygonreliefangle="90 Angle" airgapwidth=0.254
PolygonConnect Polygon_F.Cu-/AUX3_PA4_ConnectDirect [IsNamedPolygon('F.Cu-/AUX3_PA4')] p381: connectstyle=Direct reliefconductorwidth=0.254 reliefentries=4 polygonreliefangle="90 Angle" airgapwidth=0.254
PolygonConnect Polygon_F.Cu-/SWDIO_ConnectDirect [IsNamedPolygon('F.Cu-/SWDIO')] p382: connectstyle=Direct reliefconductorwidth=0.254 reliefentries=4 polygonreliefangle="90 Angle" airgapwidth=0.254
PolygonConnect Polygon_F.Cu-/EX_SPI3_MISO_ConnectDirect [IsNamedPolygon('F.Cu-/EX_SPI3_MISO')] p383: connectstyle=Direct reliefconductorwidth=0.254 reliefentries=4 polygonreliefangle="90 Angle" airgapwidth=0.254
PolygonConnect Polygon_F.Cu-Periph_3V3-1_ConnectDirect [IsNamedPolygon('F.Cu-Periph_3V3-1')] p384: connectstyle=Direct reliefconductorwidth=0.254 reliefentries=4 polygonreliefangle="90 Angle" airgapwidth=0.254
PolygonConnect Polygon_F.Cu-/BMI088_0_GDR_ConnectDirect [IsNamedPolygon('F.Cu-/BMI088_0_GDR')] p385: connectstyle=Direct reliefconductorwidth=0.254 reliefentries=4 polygonreliefangle="90 Angle" airgapwidth=0.254
PolygonConnect Polygon_F.Cu-/ADC1_INP4_BATT_V_ConnectDirect [IsNamedPolygon('F.Cu-/ADC1_INP4_BATT_V')] p386: connectstyle=Direct reliefconductorwidth=0.254 reliefentries=4 polygonreliefangle="90 Angle" airgapwidth=0.254
PolygonConnect Polygon_F.Cu-/FRAM_SPI2_~{CS}-1_ConnectDirect [IsNamedPolygon('F.Cu-/FRAM_SPI2_~{CS}-1')] p387: connectstyle=Direct reliefconductorwidth=0.254 reliefentries=4 polygonreliefangle="90 Angle" airgapwidth=0.254
PolygonConnect Polygon_F.Cu-/Baro_I2C1_DR-1_ConnectDirect [IsNamedPolygon('F.Cu-/Baro_I2C1_DR-1')] p388: connectstyle=Direct reliefconductorwidth=0.254 reliefentries=4 polygonreliefangle="90 Angle" airgapwidth=0.254
PolygonConnect Polygon_F.Cu-Core_3V3-4_ConnectDirect [IsNamedPolygon('F.Cu-Core_3V3-4')] p389: connectstyle=Direct reliefconductorwidth=0.254 reliefentries=4 polygonreliefangle="90 Angle" airgapwidth=0.254
PolygonConnect Polygon_F.Cu-Net-(U1-EN{slash}SYNC)_ConnectDirect [IsNamedPolygon('F.Cu-Net-(U1-EN{slash}SYNC)')] p390: connectstyle=Direct reliefconductorwidth=0.254 reliefentries=4 polygonreliefangle="90 Angle" airgapwidth=0.254
PolygonConnect Polygon_F.Cu-/BMI088_0_ACS_ConnectDirect [IsNamedPolygon('F.Cu-/BMI088_0_ACS')] p391: connectstyle=Direct reliefconductorwidth=0.254 reliefentries=4 polygonreliefangle="90 Angle" airgapwidth=0.254
PolygonConnect Polygon_F.Cu-/USB_OTG_FS_DM_ConnectDirect [IsNamedPolygon('F.Cu-/USB_OTG_FS_DM')] p392: connectstyle=Direct reliefconductorwidth=0.254 reliefentries=4 polygonreliefangle="90 Angle" airgapwidth=0.254
PolygonConnect Polygon_F.Cu-/Baro_I2C1_DR_ConnectDirect [IsNamedPolygon('F.Cu-/Baro_I2C1_DR')] p393: connectstyle=Direct reliefconductorwidth=0.254 reliefentries=4 polygonreliefangle="90 Angle" airgapwidth=0.254
PolygonConnect Polygon_F.Cu-Core_3V3-3_ConnectDirect [IsNamedPolygon('F.Cu-Core_3V3-3')] p394: connectstyle=Direct reliefconductorwidth=0.254 reliefentries=4 polygonreliefangle="90 Angle" airgapwidth=0.254
PolygonConnect Polygon_F.Cu-/SBUS-1_ConnectDirect [IsNamedPolygon('F.Cu-/SBUS-1')] p395: connectstyle=Direct reliefconductorwidth=0.254 reliefentries=4 polygonreliefangle="90 Angle" airgapwidth=0.254
PolygonConnect Polygon_F.Cu-/FRAM_SPI2_~{CS}_ConnectDirect [IsNamedPolygon('F.Cu-/FRAM_SPI2_~{CS}')] p396: connectstyle=Direct reliefconductorwidth=0.254 reliefentries=4 polygonreliefangle="90 Angle" airgapwidth=0.254
PolygonConnect Polygon_F.Cu-Net-(C21-Pad1)-1_ConnectDirect [IsNamedPolygon('F.Cu-Net-(C21-Pad1)-1')] p397: connectstyle=Direct reliefconductorwidth=0.254 reliefentries=4 polygonreliefangle="90 Angle" airgapwidth=0.254
PolygonConnect Polygon_F.Cu-/UART7_RX-1_ConnectDirect [IsNamedPolygon('F.Cu-/UART7_RX-1')] p398: connectstyle=Direct reliefconductorwidth=0.254 reliefentries=4 polygonreliefangle="90 Angle" airgapwidth=0.254
PolygonConnect Polygon_F.Cu-System_5V_ConnectDirect [IsNamedPolygon('F.Cu-System_5V')] p399: connectstyle=Direct reliefconductorwidth=0.254 reliefentries=4 polygonreliefangle="90 Angle" airgapwidth=0.254
PolygonConnect Polygon_F.Cu-/USB_OTG_FS_DP-1_ConnectDirect [IsNamedPolygon('F.Cu-/USB_OTG_FS_DP-1')] p400: connectstyle=Direct reliefconductorwidth=0.254 reliefentries=4 polygonreliefangle="90 Angle" airgapwidth=0.254
PolygonConnect Polygon_F.Cu-Core_3V3-2_ConnectDirect [IsNamedPolygon('F.Cu-Core_3V3-2')] p401: connectstyle=Direct reliefconductorwidth=0.254 reliefentries=4 polygonreliefangle="90 Angle" airgapwidth=0.254
PolygonConnect Polygon_F.Cu-/SDMMC1_D3-3_ConnectDirect [IsNamedPolygon('F.Cu-/SDMMC1_D3-3')] p402: connectstyle=Direct reliefconductorwidth=0.254 reliefentries=4 polygonreliefangle="90 Angle" airgapwidth=0.254
PolygonConnect Polygon_F.Cu-Core_3V3-1_ConnectDirect [IsNamedPolygon('F.Cu-Core_3V3-1')] p403: connectstyle=Direct reliefconductorwidth=0.254 reliefentries=4 polygonreliefangle="90 Angle" airgapwidth=0.254
PolygonConnect Polygon_F.Cu-/BMI088_1_GDR_ConnectDirect [IsNamedPolygon('F.Cu-/BMI088_1_GDR')] p404: connectstyle=Direct reliefconductorwidth=0.254 reliefentries=4 polygonreliefangle="90 Angle" airgapwidth=0.254
PolygonConnect Polygon_F.Cu-Net-(D11-K)-1_ConnectDirect [IsNamedPolygon('F.Cu-Net-(D11-K)-1')] p405: connectstyle=Direct reliefconductorwidth=0.254 reliefentries=4 polygonreliefangle="90 Angle" airgapwidth=0.254
PolygonConnect Polygon_F.Cu-Net-(U11A-PC15-OSC32_OUT)_ConnectDirect [IsNamedPolygon('F.Cu-Net-(U11A-PC15-OSC32_OUT)')] p406: connectstyle=Direct reliefconductorwidth=0.254 reliefentries=4 polygonreliefangle="90 Angle" airgapwidth=0.254
PolygonConnect Polygon_F.Cu-Periph_3V3_ConnectDirect [IsNamedPolygon('F.Cu-Periph_3V3')] p407: connectstyle=Direct reliefconductorwidth=0.254 reliefentries=4 polygonreliefangle="90 Angle" airgapwidth=0.254
PolygonConnect Polygon_F.Cu-/UART4_RX_ConnectDirect [IsNamedPolygon('F.Cu-/UART4_RX')] p408: connectstyle=Direct reliefconductorwidth=0.254 reliefentries=4 polygonreliefangle="90 Angle" airgapwidth=0.254
PolygonConnect Polygon_F.Cu-/Baro_I2C1_SDA_ConnectDirect [IsNamedPolygon('F.Cu-/Baro_I2C1_SDA')] p409: connectstyle=Direct reliefconductorwidth=0.254 reliefentries=4 polygonreliefangle="90 Angle" airgapwidth=0.254
PolygonConnect Polygon_F.Cu-/SBUS_ConnectDirect [IsNamedPolygon('F.Cu-/SBUS')] p410: connectstyle=Direct reliefconductorwidth=0.254 reliefentries=4 polygonreliefangle="90 Angle" airgapwidth=0.254
PolygonConnect Polygon_F.Cu-/BMI088_0_GCS_ConnectDirect [IsNamedPolygon('F.Cu-/BMI088_0_GCS')] p411: connectstyle=Direct reliefconductorwidth=0.254 reliefentries=4 polygonreliefangle="90 Angle" airgapwidth=0.254
PolygonConnect Polygon_F.Cu-/LED_RED_ConnectDirect [IsNamedPolygon('F.Cu-/LED_RED')] p412: connectstyle=Direct reliefconductorwidth=0.254 reliefentries=4 polygonreliefangle="90 Angle" airgapwidth=0.254
PolygonConnect Polygon_F.Cu-/SDMMC1_D2-1_ConnectDirect [IsNamedPolygon('F.Cu-/SDMMC1_D2-1')] p413: connectstyle=Direct reliefconductorwidth=0.254 reliefentries=4 polygonreliefangle="90 Angle" airgapwidth=0.254
PolygonConnect Polygon_F.Cu-Net-(U11A-PC14-OSC32_IN)_ConnectDirect [IsNamedPolygon('F.Cu-Net-(U11A-PC14-OSC32_IN)')] p414: connectstyle=Direct reliefconductorwidth=0.254 reliefentries=4 polygonreliefangle="90 Angle" airgapwidth=0.254
PolygonConnect Polygon_F.Cu-/USB_OTG_FS_DP_ConnectDirect [IsNamedPolygon('F.Cu-/USB_OTG_FS_DP')] p415: connectstyle=Direct reliefconductorwidth=0.254 reliefentries=4 polygonreliefangle="90 Angle" airgapwidth=0.254
PolygonConnect Polygon_F.Cu-Core_3V3_ConnectDirect [IsNamedPolygon('F.Cu-Core_3V3')] p416: connectstyle=Direct reliefconductorwidth=0.254 reliefentries=4 polygonreliefangle="90 Angle" airgapwidth=0.254
PolygonConnect Polygon_F.Cu-Net-(C21-Pad1)_ConnectDirect [IsNamedPolygon('F.Cu-Net-(C21-Pad1)')] p417: connectstyle=Direct reliefconductorwidth=0.254 reliefentries=4 polygonreliefangle="90 Angle" airgapwidth=0.254
PolygonConnect Polygon_F.Cu-/UART7_RX_ConnectDirect [IsNamedPolygon('F.Cu-/UART7_RX')] p418: connectstyle=Direct reliefconductorwidth=0.254 reliefentries=4 polygonreliefangle="90 Angle" airgapwidth=0.254
PolygonConnect Polygon_F.Cu-/EX_I2C4_SCL_ConnectDirect [IsNamedPolygon('F.Cu-/EX_I2C4_SCL')] p419: connectstyle=Direct reliefconductorwidth=0.254 reliefentries=4 polygonreliefangle="90 Angle" airgapwidth=0.254
PolygonConnect Polygon_F.Cu-/SDMMC1_D3-2_ConnectDirect [IsNamedPolygon('F.Cu-/SDMMC1_D3-2')] p420: connectstyle=Direct reliefconductorwidth=0.254 reliefentries=4 polygonreliefangle="90 Angle" airgapwidth=0.254
PolygonConnect Polygon_F.Cu-/TIM1_CH3_ConnectDirect [IsNamedPolygon('F.Cu-/TIM1_CH3')] p421: connectstyle=Direct reliefconductorwidth=0.254 reliefentries=4 polygonreliefangle="90 Angle" airgapwidth=0.254
PolygonConnect Polygon_F.Cu-/SDMMC1_D3-1_ConnectDirect [IsNamedPolygon('F.Cu-/SDMMC1_D3-1')] p422: connectstyle=Direct reliefconductorwidth=0.254 reliefentries=4 polygonreliefangle="90 Angle" airgapwidth=0.254
PolygonConnect Polygon_F.Cu-/TIM1_CH2_ConnectDirect [IsNamedPolygon('F.Cu-/TIM1_CH2')] p423: connectstyle=Direct reliefconductorwidth=0.254 reliefentries=4 polygonreliefangle="90 Angle" airgapwidth=0.254
PolygonConnect Polygon_F.Cu-/SDMMC1_D3_ConnectDirect [IsNamedPolygon('F.Cu-/SDMMC1_D3')] p424: connectstyle=Direct reliefconductorwidth=0.254 reliefentries=4 polygonreliefangle="90 Angle" airgapwidth=0.254
PolygonConnect Polygon_F.Cu-Net-(D11-K)_ConnectDirect [IsNamedPolygon('F.Cu-Net-(D11-K)')] p425: connectstyle=Direct reliefconductorwidth=0.254 reliefentries=4 polygonreliefangle="90 Angle" airgapwidth=0.254
PolygonConnect Polygon_F.Cu-Net-(R12-Pad2)_ConnectDirect [IsNamedPolygon('F.Cu-Net-(R12-Pad2)')] p426: connectstyle=Direct reliefconductorwidth=0.254 reliefentries=4 polygonreliefangle="90 Angle" airgapwidth=0.254
PolygonConnect Polygon_F.Cu-/SDMMC1_D2_ConnectDirect [IsNamedPolygon('F.Cu-/SDMMC1_D2')] p427: connectstyle=Direct reliefconductorwidth=0.254 reliefentries=4 polygonreliefangle="90 Angle" airgapwidth=0.254
PolygonConnect Polygon_F.Cu-/SDMMC1_D1_ConnectDirect [IsNamedPolygon('F.Cu-/SDMMC1_D1')] p428: connectstyle=Direct reliefconductorwidth=0.254 reliefentries=4 polygonreliefangle="90 Angle" airgapwidth=0.254
PolygonConnect Polygon_F.Cu-/LED_GREEN_ConnectDirect [IsNamedPolygon('F.Cu-/LED_GREEN')] p429: connectstyle=Direct reliefconductorwidth=0.254 reliefentries=4 polygonreliefangle="90 Angle" airgapwidth=0.254
RoutingVias [All] p1: holewidth=0.711 width=1.27 viastyle="Through Hole" minholewidth=0.711 minwidth=1.27 maxholewidth=0.711 maxwidth=1.27
SilkToSilkClearance [All] p1: silktosilkclearance=0
SilkToSolderMaskClearance [IsPad] p1: minsilkscreentomaskgap=0 clearancetoexposedcopper=TRUE
SolderMaskExpansion [All] p1: expansion=0.102 istentingtop=FALSE
Width [All] p1: maxlimit=10 minlimit=0.254 preferedwidth=0.254 midlayer1_maxwidth=0.254 minimp=50.000000 maximp=50.000000 favimp=50.000000
27 further rules are at their usual default settings.